# Altium PCB Drive Board.PcbDoc (part 1 of 2) (continued)
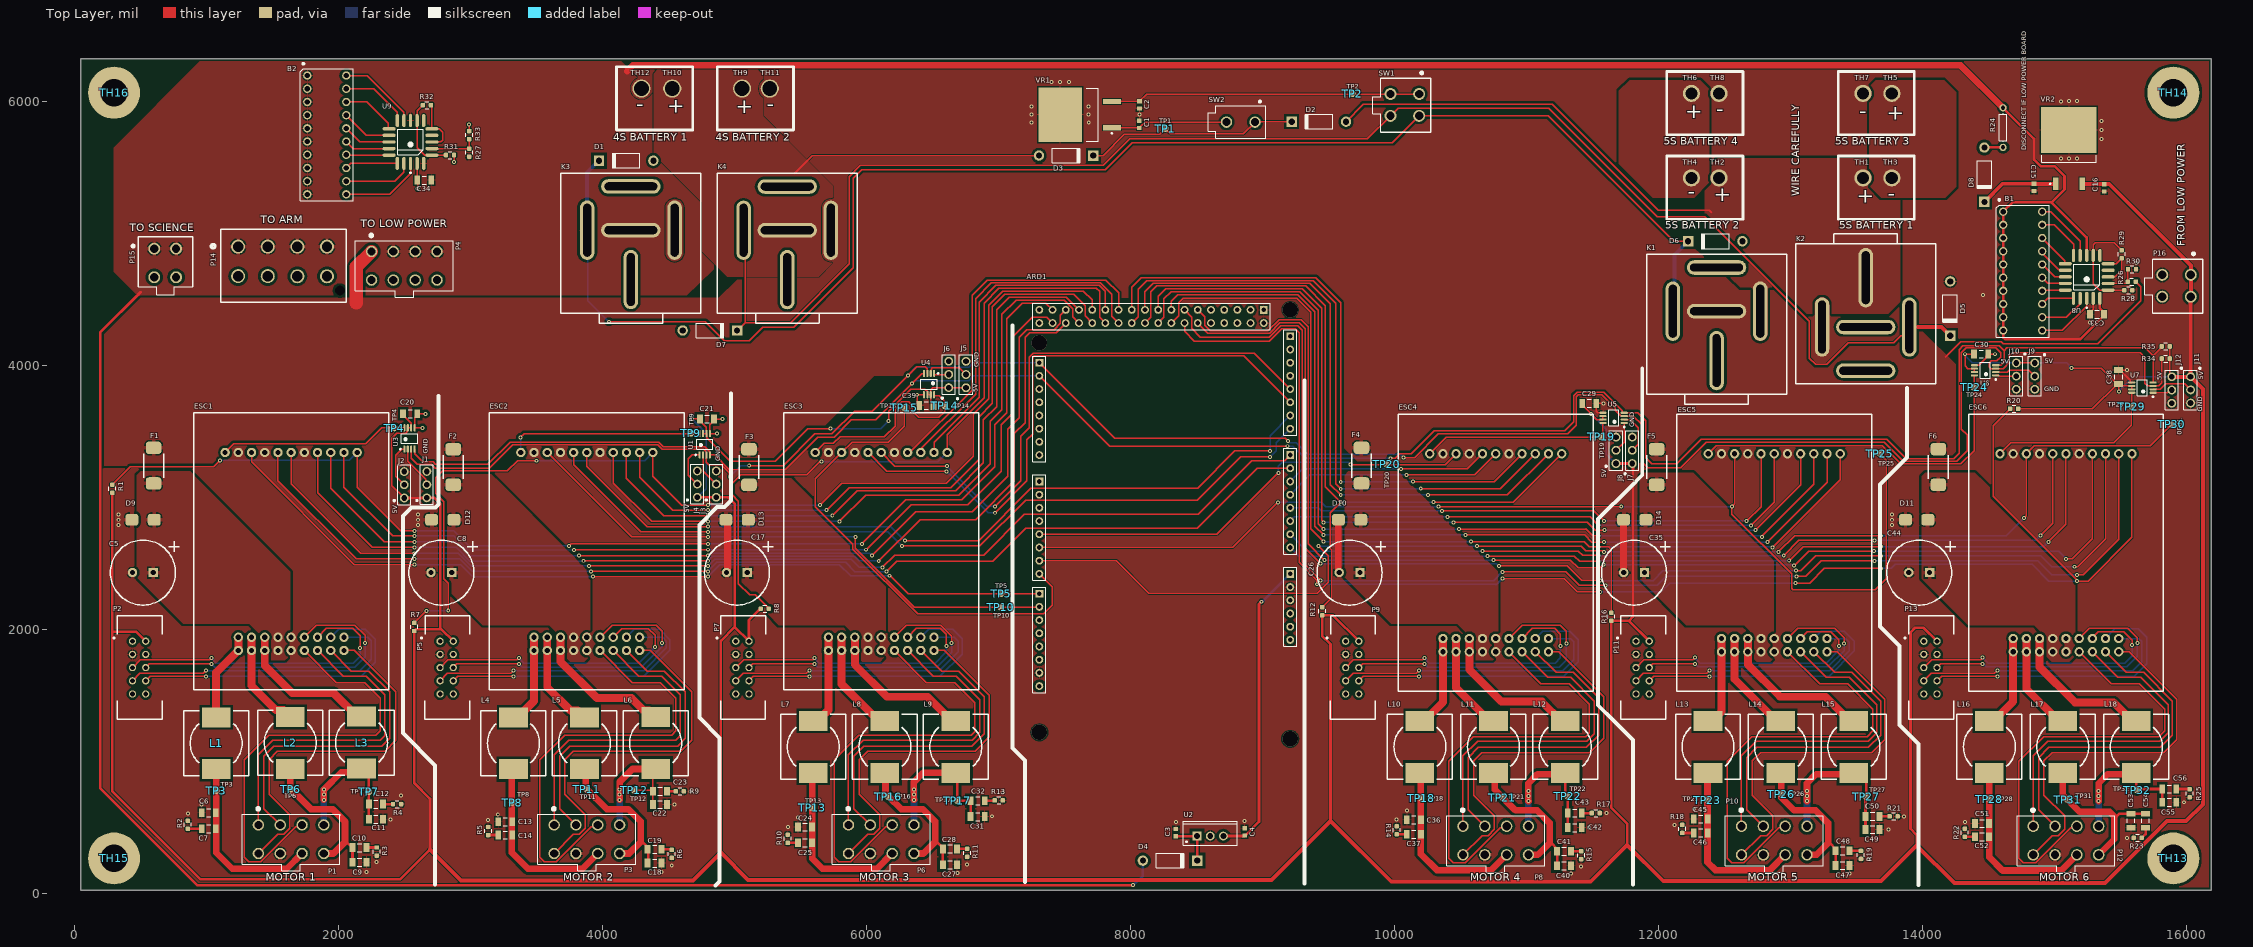
[diagram p0: Top Layer view]
## Footprints (in the part's own frame and the unit in brackets; to place one, negate y for a bottom-side part, rotate by r counter-clockwise, add the part's x,y. Pads: shape width x height; smd on the part's side, far side on the other; paste and mask are expansions set on the pad)
"3 PAD TH" [mm]
  round 1.7 hole 1.1: 1(0,0) 2(2.54,0) 3(5.08,0)
  silkscreen extent -1.27,-1.27 6.35,2.03, body extent -1.27,-1.27 6.35,1.27, height 8.55
3M_2510-6002UB [mm] "Connector Header Through Hole 10 position 0.100\" (2.54mm)"
  round 1.4 hole 0.889: 1(-5.08,-1.27) 2(-5.08,1.27) 3(-2.54,-1.27) 4(-2.54,1.27) 5(0,-1.27) 6(0,1.27) 7(2.54,-1.27) 8(2.54,1.27) 9(5.08,-1.27) 10(5.08,1.27)
  silkscreen extent -10.01,-4.89 9.98,4.47, body extent -10.01,-4.17 10.01,4.47, height 9.4
10AWG_Wire_TH [mm] "21.25mm Dia: 28mm Pad"
  round 3.5 hole 2.85 mask+0.15: 1(0,0)
12AWG_WIRE_TH#1 [mm] "21.25mm Dia: 28mm Pad"
  round 3.3 hole 2.35 mask+0.2: 1(0,0)
12AWG_WIRE_TH#2 [mm] "21.25mm Dia: 28mm Pad"
  round 3.3 hole 2.35 mask+0.2: 1(0.349,0)
50_MIL_PAD [mil]
  round 50 smd: 1(0,0)
1608[0603] [mm] "Chip Capacitor, Body 1.6x0.8mm, IPC High Density"
  rect 0.8x0.9 smd: 1(-0.7,0) 2(0.7,0)
  body extent -0.87,-0.48 0.87,0.48, height 1.3
0157010.DR [mm]
  rrect50% 2.4x3 smd: 1(3.43,0) 2(-3.43,0)
  silkscreen extent -2.29,-1.91 2.29,1.91, body extent -3.29,-1.84 3.29,1.84, height 3.9
"Arduino Mega" [mm] "Arduino Mega 2560"
  rect 1.5x1.5 hole 0.9: 0(10.16,22.86) 8(-11.43,22.86) 21(33.02,22.86) 59(-7.62,-25.4) 67(15.24,-25.4) 75(38.1,-25.4) 79(43.18,-20.32)
  round 1.5 hole 0.9: 1(7.62,22.86) 2(5.08,22.86) 3(2.54,22.86) 4(0,22.86) 5(-2.54,22.86) 6(-5.08,22.86) 7(-7.62,22.86) 9(-13.97,22.86) 10(-16.51,22.86) 11(-19.05,22.86) 12(-21.59,22.86) 13(-24.13,22.86) 14(15.24,22.86) 15(17.78,22.86) 16(20.32,22.86) 17(22.86,22.86) 18(25.4,22.86) 19(27.94,22.86) 20(30.48,22.86) 22(40.64,20.32) 23(43.18,20.32) 24(40.64,17.78) 25(43.18,17.78) 26(40.64,15.24) 27(43.18,15.24) 28(40.64,12.7) 29(43.18,12.7) 30(40.64,10.16) 31(43.18,10.16) 32(40.64,7.62) 33(43.18,7.62) 34(40.64,5.08) 35(43.18,5.08) 36(40.64,2.54) 37(43.18,2.54) 38(40.64,0) 39(43.18,0) 40(40.64,-2.54) 41(43.18,-2.54) 42(40.64,-5.08) 43(43.18,-5.08) 44(40.64,-7.62) 45(43.18,-7.62) 46(40.64,-10.16) 47(43.18,-10.16) 48(40.64,-12.7) 49(43.18,-12.7) 50(40.64,-15.24) 51(43.18,-15.24) 52(40.64,-17.78) 53(43.18,-17.78) 54(-20.32,-25.4) 55(-17.78,-25.4) 56(-15.24,-25.4) 57(-12.7,-25.4) 58(-10.16,-25.4) 60(-2.54,-25.4) 61(0,-25.4) 62(2.54,-25.4) 63(5.08,-25.4) 64(7.62,-25.4) 65(10.16,-25.4) 66(12.7,-25.4) 68(20.32,-25.4) 69(22.86,-25.4) 70(25.4,-25.4) 71(27.94,-25.4) 72(30.48,-25.4) 73(33.02,-25.4) 74(35.56,-25.4) 76(-26.67,22.86) 77(-29.21,22.86) 78(40.64,-20.32) 80(43.18,22.86) 81(40.64,22.86)
  silkscreen extent -30.48,-26.67 44.45,24.13
AXIAL-0.3 [mm] "Axial Device, Thru-Hole; 2 Leads; 0.3 in Pin Spacing"
  round 1.4 hole 0.85: 1(-3.81,0) 2(3.81,0)
  silkscreen extent -2.77,-0.76 2.77,0.76
C1206 [mm] "Chip Capacitor, Body 3.2x1.6mm, IPC High Density"
  rect 1.1x1.7 smd: 1(-1.35,0) 2(1.35,0)
  silkscreen extent -0.4,-0.75 0.4,0.75, body extent -1.7,-0.9 1.7,0.9, height 1.3
D2PAK_N [mm] "D2-PAK, 4-Leads, Body 8.8x10.4mm, Pitch 2.54mm, Lead Span 15.1mm, IPC Medium Density"
  rect 2.4x1.05 smd: 1(-6.8,2.54) 3(-6.8,-2.54)
  rect 8.9x10.65 smd: 2(3.55,0)
  silkscreen extent -6.92,-5.25 -1.3,5.25, body extent -2.7,-5.28 6.3,5.28, height 4.69
DO-41 [mm] "Diode, Axial; Body 5.2 x 2.7 mm (LxDia. max), Lead Dia. 0.86 mm (max)"
  round 2 hole 1.2: 1(-5.23,0)
  rect 2x2 hole 1.2: 2(5.23,0)
  silkscreen extent -2.65,-1.4 2.75,1.4
DPAK254P1420X457-3N [mm] "D2-PAK, 3-Pads, Body 7.77x8.48mm (max), IPC Medium Density"
  rect 3.504x1 smd: 1(-6.1,2.54) 3(-6.1,-2.54)
  rect 8.38x10.49 smd: 2(3.85,0)
  silkscreen extent -6.23,-5.1 -1.14,5.1, body extent -6.71,-5.13 7.48,5.13, height 4.83
DR127-4R7-R [mm] "Fixed Inductors 4.7uH 16.5A 0.0092ohms"
  rect 3.85x5.5 smd: 1(-5,0) 2(5,0)
  silkscreen extent -6.25,-6.25 6.25,6.25, body extent -6.35,-6.22 6.35,6.22, height 8
"ESCON 50/8 HE" [mm]
  round 1.8 hole 1: 1(-19.05,10.16) 2(-16.51,10.16) 3(-19.05,7.62) 4(-16.51,7.62) 5(-19.05,5.08) 6(-16.51,5.08) 7(-19.05,2.54) 8(-16.51,2.54) 9(-19.05,0) 10(-16.51,0) 11(-19.05,-2.54) 12(-16.51,-2.54) 13(-19.05,-5.08) 14(-16.51,-5.08) 15(-19.05,-7.62) 16(-16.51,-7.62) 17(-19.05,-10.16) 18(-16.51,-10.16) 19(19.05,-12.7) 20(19.05,-10.16) 21(19.05,-7.62) 22(19.05,-5.08) 23(19.05,-2.54) 24(19.05,0) 25(19.05,2.54) 26(19.05,5.08) 27(19.05,7.62) 28(19.05,10.16) 29(19.05,12.7)
  silkscreen extent -26.65,-18.75 26.65,18.75
"LED BAR 10pos" [mm]
  round 1.6 hole 1: 1(11.43,3.747) 2(8.89,3.747) 3(6.35,3.747) 4(3.81,3.746) 5(1.27,3.746) 6(-1.27,3.746) 7(-3.81,3.746) 8(-6.35,3.746) 9(-8.89,3.746) 10(-11.43,3.746) 11(-11.43,-3.747) 12(-8.89,-3.747) 13(-6.35,-3.747) 14(-3.81,-3.746) 15(-1.27,-3.746) 16(1.27,-3.746) 17(3.81,-3.746) 18(6.35,-3.746) 19(8.89,-3.746) 20(11.43,-3.746)
  silkscreen extent -12.7,-5.08 13.87,5.08, body extent -12.7,-5.08 12.7,5.08, height 8.01
M5_Screw_Hole#1 [mm]
  round 10 hole 5.25 mask+0.2: 1(-0.49,-0.519)
M5_Screw_Hole#2 [mm]
  round 10 hole 5.25 mask+0.2: 1(0,0.001)
M5_Screw_Hole#3 [mm]
  round 10 hole 5.25 mask+0.2: 1(0.095,0.031)
M5_Screw_Hole#4 [mm]
  round 10 hole 5.25 mask+0.2: 1(0.52,-0.074)
"MOLEX 172065-0208" [mm] "Connector Header Through Hole 8 position 0.224\" (5.70mm)"
  round 2.7 hole 2: 1(9.79,-4.236) 2(4.09,-4.236) 3(-1.61,-4.236) 4(-7.31,-4.236) 5(9.79,1.439) 6(4.09,1.439) 7(-1.61,1.464) 8(-7.31,1.464)
  round 0 hole 1.9 unplated: 6(-9.79,4.236)
  silkscreen extent -10.98,-7.56 14.97,6.49, body extent -10.5,-7.54 12.96,6.49, height 15.61
"MOLEX 0039281043" [mm] "Connector Header Through Hole 4 position 0.165\" (4.20mm)"
  round 2.3 hole 1.6: 1(0,0) 2(4.2,0) 3(0,-5.5) 4(4.2,-5.5)
  silkscreen extent -4.24,-8.89 7.37,2.29, body extent -3.07,-8.82 7.33,2.18, height 12.8
"Molex Mini-Fit Jr 0039281083" [mm]
  round 2.2 hole 1.6: 1(-6.3,2.75) 2(-2.1,2.75) 3(2.1,2.75) 4(6.3,2.75) 5(-6.3,-2.75) 6(-2.1,-2.75) 7(2.1,-2.75) 8(6.3,-2.75)
  silkscreen extent -9.4,-6.1 9.4,6.1, body extent -9.4,-6.2 9.4,4.8, height 12.8
MOLEX_0039293026 [mm]
  round 2.2 hole 1.6: 1(-2.75,0) 2(2.75,0)
  silkscreen extent -4.8,-4.06 6.22,3.1, body extent -4.8,-3.1 6.2,3.1, height 12.8
MUA08A_L [mm] "TSOP, 8-Leads, Body 3x3mm, Pitch 0.65mm, IPC High Density"
  oval 1.4x0.406 smd mask+0.05: 1(-2.05,0.975) 2(-2.05,0.325) 3(-2.05,-0.325) 4(-2.05,-0.975) 5(2.05,-0.975) 6(2.05,-0.325) 7(2.05,0.325) 8(2.05,0.975)
  silkscreen extent -2.17,-1.55 0.95,1.87, body extent -1.55,-1.55 1.55,1.55, height 1.09
"Panasonic EEU-FC1J221S" [mm]
  rect 1.8x1.8 hole 1: 1(2,0)
  round 1.8 hole 1: 2(-2,0)
  silkscreen extent -6.25,-6.25 7,6.25
PLCC127P990X990X457-20N [mm] "Leaded Chip Carrier, 20-Leads, Body 9.91x9.91mm, Pitch 1.270mm, IPC Medium Density"
  oval 0.65x2.5 smd: 1(0,4.125) 2(-1.27,4.125) 3(-2.54,4.125) 9(-2.54,-4.125) 10(-1.27,-4.125) 11(0,-4.125) 12(1.27,-4.125) 13(2.54,-4.125) 19(2.54,4.125) 20(1.27,4.125)
  oval 2.5x0.65 smd: 4(-4.125,2.54) 5(-4.125,1.27) 6(-4.125,0) 7(-4.125,-1.27) 8(-4.125,-2.54) 14(4.125,-2.54) 15(4.125,-1.27) 16(4.125,0) 17(4.125,1.27) 18(4.125,2.54)
  silkscreen extent -2.48,-2.47 2.47,6.05, body extent -5.15,-5.15 5.15,5.15, height 4.57
"RELAY RC-700112-NN" [mil]
  oval 110x450 hole 400 slot 60 at 0 deg: 30(0,-274) 85(331,100) 86(-331,100)
  oval 450x110 hole 400 slot 60 at 90 deg: 87(0,431) 87a(0,100)
  silkscreen extent -530,-605 530,530
RESC1608X06N_0603 [mm] "Chip Resistor, 2-Leads, Body 1.60x0.80mm, IPC Medium Density"
  rrect50% 0.85x0.9 smd: 1(-0.775,0) 2(0.775,0)
  silkscreen extent -0.38,-0.66 0.34,0.69, body extent -0.85,-0.45 0.85,0.45, height 0.55
SMBJ54A-13-F [mm]
  rrect50% 2.5x2.3 smd: 1(2.15,0) 2(-2.15,0)
  body extent -2.92,-1.95 2.92,1.95, height 2.5
TO220 [mm] "TO, Thru-Hole, Vertical, Heatsink Mounted; 3 In-Line Leads; Pitch 2.54 mm"
  rect 1.7x1.7 hole 1.1: 1(-2.54,0)
  round 1.7 hole 1.1: 2(0,0) 3(2.54,0)
  silkscreen extent -5.2,-1.75 5.2,2.85, body extent -5.25,-1.8 5.25,2.9, height 19.7

## Part data
B1: library part "LED BAR 10 RED"
B2: library part "LED BAR 10 BLUE"
C1 C2 C3 C4 C15 C16: "Capacitor", LatestRevisionDate=17-Jul-2002, LatestRevisionNote="Re-released for DXP Platform.", PackageDescription="Radial Cap, Thru-Hole; 2 Leads; 0.3 in Pin Spacing", PackageReference=RAD-0.3, Published=8-Jun-2000, Publisher="Altium Limited"
C5 C8 C17 C26 C35 C44: "Polarized Capacitor (Radial)"
C6 C7 C9 C10 C11 C12 C13 C14 C18 C19 C20 C21 C22 C23 C24 C25 C27 C28 C29 C30 C31 C32 C33 C34 C36 C37 C38 C39 C40 C41 C42 C43 C45 C46 C47 C48 C49 C50 C51 C52 C53 C54 C55 C56: "Capacitor (Semiconductor SIM Model)", LatestRevisionDate=29-May-2009, LatestRevisionNote="IPC-7351 Footprint Added.", PackageDescription="Chip Capacitor", PackageReference=C1206, Published=8-Jun-2000, Publisher="Altium Limited"
D1 D2 D3 D4 D5 D6 D7 D8: "1 Amp General Purpose Rectifier", Code_JEDEC=DO-204-AL, ComponentLink1Description="Manufacturer Link", ComponentLink1URL=http://www.fairchildsemi.com/, ComponentLink2Description=Datasheet, ComponentLink2URL=http://www.fairchildsemi.com/ds/1N%2F1N4001.pdf, DatasheetVersion=1998, LatestRevisionDate=17-Jul-2002, LatestRevisionNote="Re-released for DXP Platform.", PackageDescription="Diode, Axial; Body 5.2 x 2.7 mm (LxDia. max), Lead Dia. 0.86 mm (max)", PackageReference=DO-41, PackageVersion=Aug-1999, Published=8-Jun-2000, Publisher="Altium Limited"
D9 D10 D11 D12 D13 D14: "TVS Diode", Code_JEDEC=DO-214-AB, LatestRevisionDate=17-Jul-2002, LatestRevisionNote="Re-released for DXP Platform.", PackageDescription="DO-214-AB/SMC; 2 C-Bend Leads; Body 7.9 x 5.9 mm, inc. leads (LxW)", PackageReference=SMC, PackageVersion=Sep-1996, Published=8-Jun-2000, Publisher="Altium Limited"
ESC1 ESC2 ESC3 ESC4 ESC5 ESC6: "ESCON Module 50/8 HE Servocontroller"
F1 F2 F3 F4 F5 F6: "Fuse", LatestRevisionDate=17-Jul-2002, LatestRevisionNote="Re-released for DXP Platform.", PackageDescription="Thru-Hole; 2 Leads", PackageReference=PIN-W2/E2.8, Published=8-Jun-2000, Publisher="Altium Limited"
J1 J2 J3 J4 J5 J6 J7 J8 J9 J10 J11 J12: library part "3 Pad Jump Sel"
K1 K2 K3 K4: "SPDT Relay", LatestRevisionDate=17-Jul-2002, LatestRevisionNote="Re-released for DXP Platform.", PackageReference=MODULE5B, Published=8-Jun-2000, Publisher="Altium Limited"
L1 L2 L3 L4 L5 L6 L7 L8 L9 L10 L11 L12 L13 L14 L15 L16 L17 L18: "4.7µH Shielded Wirewound Inductor 8.25A 9.17mOhm Nonstandard", Code_IEC=1005, Code_JEITA=0402, LatestRevisionDate=29-May-2009, LatestRevisionNote="IPC-7351 Footprint Added.", PackageDescription="Chip Inductor", PackageReference=0402-A, Published=8-Jun-2000, Publisher="Altium Limited"
P1 P3 P4 P6 P8 P10 P12: library part "Molex Mini-Fit Jr 8pos Vert"
P2 P5 P7 P9 P11 P13: "3M_2510-6002UB"
P14: library part "Molex Mega-Fit 8pos Vert"
P15 P16: library part "Molex 0039281043", "Mini-Fit Jr. Header, Dual Row, Right-Angle, with Snap-in Plastic Peg PCB Lock, 6 Circuits, PA Polyamide Nylon 6/6 94V-2, 0.76µm Select Gold (Au) Plating"
R1 R2 R3 R4 R5 R6 R7 R8 R9 R10 R11 R12 R13 R14 R15 R16 R17 R18 R19 R20 R21 R22 R23 R24 R25 R26 R27 R28 R29 R30 R31 R32 R33 R34 R35: "Resistor", LatestRevisionDate=17-Jul-2002, LatestRevisionNote="Re-released for DXP Platform.", PackageDescription="Axial Device, Thru-Hole; 2 Leads; 0.3 in Pin Spacing", PackageReference=AXIAL-0.3, Published=8-Jun-2000, Publisher="Altium Limited"
SW1: library part "DPST ESTOP"
U1 U3 U4 U5 U6 U7: "12-Bit Micro Power Digital-to-Analog Converter with an I2C-Compatible Interface and External Reference, 8-pin Mini SOIC, Pb-Free", Manufacturer="National Semiconductor", PackageTopMarking=XTT*X90C, PowerWise=Y, Code_JEDEC=MO-187-AA, ComponentLink1Description="DAC121C085 Datasheet", ComponentLink1URL=http://www.national.com/ds/DA/DAC121C085.pdf, ComponentLink2Description="DAC121C085 Web Page", ComponentLink2URL=http://www.national.com/pf/DA/DAC121C085.html, ComponentLink3Description="MUA08A Package Page", ComponentLink3URL=http://www.national.com/packaging/folders/mua08a.html, CompType="D/A Converter", DatasheetVersion=Mar-2008, PackageDescription="MINI SOIC, .118 x .118 x .034in, 8 Lead, .0256in Pitch", PackageReference=MUA08A, PackageVersion="revF, Apr-2008", PinCount=8, RevisionNote="Component URLs added", RoHS=Y
U2: library part CMP-0244-00450-1, "Positive Voltage Regulator, 12V, 3-Pin TO-220", ComponentLink1Description="Manufacturer URL", ComponentLink1URL=http://www.st.com, ComponentLink2Description=Datasheet, ComponentLink2URL=http://www.st.com/internet/com/TECHNICAL_RESOURCES/TECHNICAL_LITERATURE/DATASHEET/CD00000444.pdf, ComponentLink3Description="Package Specification", ComponentLink3URL=http://www.st.com/internet/com/TECHNICAL_RESOURCES/TECHNICAL_LITERATURE/PACKAGE_INFORMATION/CD00004649.pdf, DatasheetVersion=16/11/2011, PackageDescription="TO, Thru-Hole, Vertical, Heatsink Mounted; 3 In-Line Leads; Pitch 2.54 mm", PackageReference=TO220, PackageVersion=ver3.0
U8 U9: library part LM3914
VR1 VR2: "Voltage Regulator", LatestRevisionDate=29-May-2009, LatestRevisionNote="IPC-7351 Footprint Added.", PackageDescription="3-Pin Transistor Outline Package 2.54 mm Pitch, 15.1 mm Lead Span", PackageReference=D2PAK, Published=24-Mar-1999, Publisher="Altium Limited"
SW2: LatestRevisionDate=17-Jul-2002, LatestRevisionNote="Re-released for DXP Platform.", PackageDescription="Switch; 2 Leads", PackageReference=SPST-2, Published=24-Mar-1999, Publisher="Altium Limited"

## Via types
v1: diameter 30, hole 15, Top Layer to Bottom Layer, tented both sides, 283 vias
v2: diameter 118.11, hole 118.11, Top Layer to Bottom Layer, 4 vias

## Nets (pads, with @x,y where several pads share a name; then routed paths per layer and width w, separated by ;. In a path a pad name is that pad's centre, name@x,y a point inside that pad or via, vN(x,y) a via of type N, cw(c..) or ccw(c..) an arc to the next point about the centre after c; other vN are vias at no path point)
5V: C16.1 C20.2 C21.2 C29.2 C30.2 C38.2 C39.2 J1.1 J2.1 J3.1 J4.1 J5.1 J6.1 J7.1 J8.1 J9.1 J10.1 J11.1 J12.1 P2.2 P5.2 P7.2 P9.2 P11.2 P13.2 P16.1 P16.2 R1.2 R7.2 R8.2 R12.2 R16.2 R20.2 R34.2 R35.2 U1.6 U1.7 U3.6 U3.7 U4.6 U4.7 U5.6 U5.7 U6.6 U6.7 U7.6 U7.7 VR2.3 | length 47564.7
  Top Layer w10: C20.2@2489.85,3633 2489.85,3621.49 2550.8,3560.54 U3.6@2550.8,3526.71 U3.7@2525.2,3526.71 2525.2,3503.04 2508.31,3486.15 2442.15,3486.15 2404,3448 2404,3089 J2.1@2498,2995 ; v1(4677,3595) C21.2@4736.85,3595 ; C21.2@4738.85,3593 4738.85,3581.49 4787.8,3532.54 U1.6@4787.8,3482.71 ; U1.7@4762.2,3482.71 U1.6@4787.8,3482.71 ; v1(5728,3521) 5556,3521 5310,3275 4966.95,3275 4788.94,3453 4788.94,3481.56 U1.6@4787.8,3482.71 ; v1(6168,3579) 6168,3653 6334,3819 6443.16,3819 6463.2,3798.96 U4.6@6463.2,3777.29 ; U4.6@6461.2,3777.29 U4.6@6463.2,3777.29 ; U4.6@6463.2,3768.29 U4.6@6463.2,3777.29 ; U4.7@6488.15,3767.65 6488.8,3768.29 U4.7@6488.8,3789.47 ; C39.2@6507.15,3691 C39.2@6507.15,3695 6507.15,3702.81 6486.8,3723.17 U4.7@6486.8,3777.29 ; J5.1@6754,3830 6501.56,3830 6486.8,3815.24 U4.7@6486.8,3777.29 ; C29.2@11421.85,3712 11421.85,3700.49 11533.13,3589.2 U5.7@11579.29,3589.2 U5.6@11579.29,3614.8 ; C30.2@14390.85,4085 14389.85,4084 v1(14322.75,4084) 14322.75,3995.25 14343.2,3974.8 U6.6@14393.29,3974.8 U6.7@14393.29,3949.2 ; J10.1@14711,4018 J9.1@14851,4018 ; R20.2@14724.51,3671 15287.34,3671 15474.19,3857.85 C38.2@15474.49,3857.85 ; v1(15130,3979) 15353.34,3979 C38.2@15474.49,3857.85 ; C16.1@15375.44,5370 C16.1@15377,5371.56 ; C38.2@15486,3857.85 C38.2@15474.49,3857.85 ; v1(15488,3803) 15488,3845.8 15493.03,3850.82 15500.06,3843.8 U7.6@15585.29,3843.8 U7.7@15585.29,3818.2 ; R35.2@15873.51,4143 R34.2@15873.51,4051 15873.51,3942.89 15888,3928.4 J12.1@15888,3913 ; U4.6@6463.2,3777.29 U4.7@6486.8,3777.29
  Top Layer w20: R1.2@287,3034.49 287,1982 ; P2.2@540,1910 468,1982 287,1982 ; J2.1@2498,2995 2669,2995 J1.1@2670,2996 2726,2996 2772.57,2949.43 2772.57,2007.43 2780,2000 ; P5.2@2870,1910 2780,2000 ; J4.1@4719,3000 J3.1@4862,3000 4952,3000 5002.57,2949.43 5002.57,2790.53 5002,2789.96 5002,2018 ; C21.2@4736.85,3595 C21.2@4738.85,3593 ; 4897,309 4897,1913 5002,2018 ; R8.2@5186.76,2146.76 5110,2070 P7.2@5110,1910 5002,2018 ; 9515,549 9515,1888 9452.15,1950.85 R12.2@9452.15,2106.45 9533.55,2106.45 P9.2@9730,1910 ; J8.1@11678,3256 J7.1@11801,3256 11807,3250 11807,2095.98 11775.51,2064.49 ; 11762.33,365.33 11762.33,365.67 11762.33,528.36 11643,647.69 R16.2@11643,2064.49 11775.51,2064.49 ; P11.2@11930,1910 11775.51,2064.49 ; 13956,364 13956,443 13909,490 13909,1976 13945,2012 14008,2012 P13.2@14110,1910 ; C16.1@15377,5371.56 15378.97,5371.56 15382.69,5375.28 15384.72,5377.31 C16.1@15384.72,5379.28 ; J11.1@16030,3913 J11.1@16031,3914 ; 287,1982 287,773 953,107 2468.93,107 2693.46,331.54 2693.46,715.54 2575,834 R7.2@2575,1987.49 2587.51,2000 2780,2000
  Top Layer w30: 2693.46,331.54 2928,97 4685,97 4897,309 5104,102 9068,102 9515,549 9976,88 11485,88 11762.33,365.33 ; 11762.33,365.67 12036,92 13684,92 13956,364 14241,79 15384,79 15853,548 15997.33,548 16124,674.67 16124,3821 J11.1@16031,3914 16031,4518.11 P16.2@16032.54,4519.65 P16.1@16032.54,4685 16032.54,4755.46 15412.72,5375.28 15382.69,5375.28 VR2.3@15209,5375.28 ; J12.1@15888,3913 J11.1@16030,3913
  Bottom Layer w10: v1(4677,3595) 4785,3487 4785,3066 J4.1@4719,3000 ; v1(5728,3521) 6110,3521 v1(6168,3579) ; v1(11489,3632) 11606,3515 11606,3328 J8.1@11678,3256 ; v1(14322.75,4084) 14326.57,4080.17 14326.57,4067.43 14376,4018 J10.1@14711,4018 ; J9.1@14851,4018 15091,4018 v1(15130,3979) ; v1(15488,3803) 15598,3913 J12.1@15888,3913
12V_REG: C2.1 SW1.1 SW1.3 TP2.1 VR1.3 | length 2350.7
  Top Layer w10: VR1.3@7859.16,5999 8066.44,5999 C2.1@8068,6000.56 8122.8,6055.35 SW1.3@9970,6055.35 SW1.1@10186.54,6055.35
14.8VP: B1.1 B1.2 B1.3 B1.4 B1.5 B1.6 B1.7 B1.8 B1.9 B1.10 B2.1 B2.2 B2.3 B2.4 B2.5 B2.6 B2.7 B2.8 B2.9 B2.10 C33.2 C34.2 D4.1 K3.87a P4.2 P4.3 P4.4 P14.1 P14.2 P14.3 P14.4 P15.1 P15.2 R24.1 R27.2 U8.3 U8.11 U9.3 U9.11 | length 26664.9
  Top Layer w20: 502.5,4554.5 195,4247 195,796.38 929.38,62 v1(8019,62) ; R24.1@14610,5951 14845,5716 14845,5558 14896,5507 15002,5507 15076,5433 15076,5332 14978,5234 ; U8.11@15244,4832.4 15244,4968 14978,5234 ; 15343.96,4432 15375.15,4400.81 15375.15,4377.19 15196.96,4199 14624.75,4199 14611.5,4212.25 B1.10@14611.5,4264 B1.9@14611.5,4364 B1.8@14611.5,4464 B1.7@14611.5,4564 B1.6@14611.5,4664 B1.5@14611.5,4764 B1.4@14611.5,4864 B1.3@14611.5,4964 B1.2@14611.5,5064 B1.1@14611.5,5164 14681.5,5234 14978,5234 ; 15344,4432 U8.3@15344,4507.6
  Top Layer w50: 4187,6229 4230,6272 14289,6272 R24.1@14610,5951
  Bottom Layer w20: v1(8019,62) 8023,62 8094.09,133.09 D4.1@8094.09,248
14.8VP_RAW: D3.1 K4.87a TH9.1 TH10.1 | length 1911.5
  Top Layer w10: 5452.5,5451.5 5590,5589 D3.1@7307.09,5589
37VP: F1.1 F2.1 F3.1 F4.1 F5.1 F6.1 K1.87a P4.1 R26.2 | length 2269.7
  Top Layer w10: 14172,4061 14290.46,4179.46 14594.79,4179.46 14610.26,4164 15329,4164 15653.51,4488.51 15653.51,4596.51 R26.2@15616.02,4634
  Top Layer w100: 2135,4473 2135,4746.3 P4.1@2250.97,4862.27
37VP_RAW: D2.1 K2.30 TH1.1 TH2.1 | length 3168.4
  Top Layer w10: D2.1@9632.91,5846 9761.28,5974.37 9761.28,5978.28 11195.72,5978.28 11999,5175 12386,5175 12404,5157
"E1 Ch A": ESC1.12 P2.6 | length 2408.2
  Top Layer w10: P2.6@540,1710 568,1738 v1(1038,1738) ; ESC1.12@1741.84,1940 1832.84,2031 2125,2031 2202,1954 v1(2202,1895)
  Bottom Layer w10: v1(1038,1738) 1062,1714 2125,1714 2202,1791 v1(2202,1895)
"E1 Ch A\": ESC1.14 P2.5 | length 2322
  Top Layer w10: P2.5@440,1710 499.44,1769.44 1021.44,1769.44 v1@1035,1783 ; ESC1.14@1841.84,1940 1908.84,2007 2108,2007 2165,1950 v1(2165,1858)
  Bottom Layer w10: v1@1035,1783 1074,1744 2114,1744 2165,1795 v1(2165,1858)
  other v1: 1038,1783
"E1 Ch B": ESC1.16 P2.8 | length 2361.9
  Top Layer w10: P2.8@540,1610 574,1644 v1@1000,1644
  Bottom Layer w10: v1@1000,1644 2171,1644 2279,1752 2279,1923 2203,1999 2000.84,1999 ESC1.16@1941.84,1940
  other v1: 997,1644
"E1 Ch B\": ESC1.18 P2.7 | length 2232.1
  Top Layer w10: P2.7@440,1610 496,1666 975,1666 v1(997,1688)
  Bottom Layer w10: v1(997,1688) 2163,1688 2247.39,1772.39 2247.39,1913.15 2220.54,1940 ESC1.18@2041.84,1940
"E1 H1": ESC1.13 P1.1 | length 2506.6
  Top Layer w10: P1.1@1393.81,518.27 1393.81,1050.81 1504,1161 2317,1161 2350,1194 2350,1506 2210,1646 2035.84,1646 ESC1.13@1841.84,1840
"E1 H2": ESC1.15 P1.2 | length 2507.9
  Top Layer w10: P1.2@1559.16,518.27 1435,642.43 1435,1039 1511,1115 2329,1115 2387,1173 2387,1526 2230,1683 2098.84,1683 ESC1.15@1941.84,1840
"E1 H3": ESC1.17 P1.5 | length 2811.7
  Top Layer w10: P1.5@1393.81,301.73 1539.07,447 1584,447 1631,494 1631,596 1475,752 1475,1013 1538,1076 2353,1076 2435,1158 2435,1526 2121,1840 ESC1.17@2041.84,1840
"E1 H Vcc": ESC1.11 P1.3 | length 3399.1
  Top Layer w10: P1.3@1724.51,518.27 1711.41,505.16 1676.87,505.16 1411.7,240 1320,240 1286,274 1286,1011 1473,1198 2284,1198 2317,1231 2317,1478 2198,1597 1984.84,1597 ESC1.11@1741.84,1840
"E1 W1": C6.2 C7.2 L1.2 P1.7 TP3.1 | length 1381.1
  Top Layer w50: L1.2@1074,940.15 TP3.1@1074,777 1074,611 1074,489 1074,308 1196,186 1608.78,186 P1.7@1724.51,301.73
"E1 W2": C9.2 C10.2 L2.2 P1.8 TP6.1 | length 1202.9
  Top Layer w20: 2050,390 2062.85,390 C10.2@2106.85,346 C9.2@2106.85,236
  Top Layer w50: L2.2@1635,943.15 1635,795 TP6.1@1640,790 1792,638 1956,638 2050,544 2050,390 1961.73,301.73 P1.8@1889.87,301.73
"E1 W3": C11.2 C12.2 L3.2 P1.4 TP7.1 | length 1105.6
  Top Layer w20: L3.2@2175,945.15 2231,889.15 TP7.1@2231,769 2231,561.15 C11.2@2230.85,561
  Top Layer w50: v1@1890,708 v1(1889.74,708.26) v1(1889.74,786.74) 2021.02,918.02 2147.87,918.02 L3.2@2175,945.15
  Bottom Layer w50: P1.4@1889.87,518.27 v1@1889.87,786.74
  other v1: 1889.74,747.5
"E2 Ch A": ESC2.12 P5.6 | length 2308.4
  Top Layer w10: P5.6@2870,1710 2898,1738 v1(3368,1738) ; ESC2.12@3981.84,1940 4072.84,2031 4406,2031 4452,1985 v1(4452,1895)
  Bottom Layer w10: v1(3368,1738) 3392,1714 4293.2,1714 4452,1872.8 v1(4452,1895)
"E2 Ch A\": ESC2.14 P5.5 | length 2180
  Top Layer w10: P5.5@2770,1710 2829.44,1769.44 3351.44,1769.44 v1@3365,1783 ; ESC2.14@4081.84,1940 4147.84,2006 4348,2006 4399,1955 v1(4399,1867)
  Bottom Layer w10: v1@3365,1783 3404,1744 4276,1744 v1(4399,1867)
  other v1: 3368,1783
"E2 Ch B": ESC2.16 P5.8 | length 2202
  Top Layer w10: P5.8@2870,1610 2904,1644 v1(3327,1644) v1@3330,1644
  Bottom Layer w10: v1@3330,1644 4312,1644 4511,1843 4511,1922 4434,1999 4240.84,1999 ESC2.16@4181.84,1940
"E2 Ch B\": ESC2.18 P5.7 | length 2084.1
  Top Layer w10: P5.7@2770,1610 2826,1666 3305,1666 v1(3327,1688)
  Bottom Layer w10: v1(3327,1688) 4312,1688 4485,1861 4485,1911 4456,1940 ESC2.18@4281.84,1940
"E2 H1": ESC2.13 P3.1 | length 2506.6
  Top Layer w10: P3.1@3633.81,518.27 3633.81,1050.81 3744,1161 4557,1161 4590,1194 4590,1506 4450,1646 4275.84,1646 ESC2.13@4081.84,1840
"E2 H2": ESC2.15 P3.2 | length 2507.9
  Top Layer w10: P3.2@3799.16,518.27 3675,642.43 3675,1039 3751,1115 4569,1115 4627,1173 4627,1526 4470,1683 4338.84,1683 ESC2.15@4181.84,1840
"E2 H3": ESC2.17 P3.5 | length 2811.7
  Top Layer w10: P3.5@3633.81,301.73 3779.07,447 3824,447 3871,494 3871,596 3715,752 3715,1013 3778,1076 4593,1076 4675,1158 4675,1526 4361,1840 ESC2.17@4281.84,1840
"E2 H Vcc": ESC2.11 P3.3 | length 3399.1
  Top Layer w10: P3.3@3964.51,518.27 3951.41,505.16 3916.86,505.16 3651.7,240 3560,240 3526,274 3526,1011 3713,1198 4524,1198 4557,1231 4557,1478 4438,1597 4224.84,1597 ESC2.11@3981.84,1840
"E2 W1": C13.2 C14.2 L4.2 P3.7 TP8.1 | length 1381.1
  Top Layer w50: L4.2@3314,940.15 3314,777 3314,308 3436,186 3848.78,186 P3.7@3964.51,301.73
"E2 W2": C18.2 C19.2 L5.2 P3.8 TP11.1 | length 1202.9
  Top Layer w20: 4290,390 4302.85,390 4346.85,346 C18.2@4346.85,236
  Top Layer w50: L5.2@3875,943.15 3875,795 TP11.1@3880,790 4032,638 4196,638 4290,544 4290,390 4201.73,301.73 P3.8@4129.87,301.73
"E2 W3": C22.2 C23.2 L6.2 P3.4 TP12.1 | length 1152.9
  Top Layer w10: TP12.1@4241,780 4375.85,780 C23.2@4382.85,773 ; C22.2@4382.85,673 C23.2@4382.85,773 ; L6.2@4411.85,942 4382.85,913 C23.2@4382.85,773
  Top Layer w50: v1@4130,708 v1(4129.74,708.26) v1(4129.74,747.5) v1(4129.74,786.74) 4129.74,843.74 4228,942 L6.2@4411.85,942
  Bottom Layer w50: P3.4@4129.87,518.27 v1@4129.87,786.74
"E3 Ch A": ESC3.12 P7.6 | length 2230.4
  Top Layer w10: P7.6@5110,1710 5138,1738 v1(5608,1738) ; ESC3.12@6211.84,1940 6302.84,2031 6561.46,2031 6646,1946.46 v1(6646,1895)
  Bottom Layer w10: v1(5608,1738) 5632,1714 6532.46,1714 6646,1827.54 v1(6646,1895)
"E3 Ch A\": ESC3.14 P7.5 | length 2150.6
  Top Layer w10: P7.5@5010,1710 5069.44,1769.44 5591.44,1769.44 v1@5605,1783 ; ESC3.14@6311.84,1940 6378.84,2007 6560,2007 6606,1961 v1(6606,1873)
  Bottom Layer w10: v1@5605,1783 5644,1744 6521,1744 6606,1829 v1(6606,1873)
  other v1: 5608,1783
"E3 Ch B": ESC3.16 P7.8 | length 2179.7
  Top Layer w10: P7.8@5110,1610 5144,1644 v1(5567,1644) v1@5570,1644
  Bottom Layer w10: v1@5570,1644 6555,1644 6724,1813 6724,1929 6654,1999 6470.84,1999 ESC3.16@6411.84,1940
"E3 Ch B\": ESC3.18 P7.7 | length 2050.5
  Top Layer w10: P7.7@5010,1610 5066,1666 5545,1666 v1(5567,1688)
  Bottom Layer w10: v1(5567,1688) 6553,1688 6694,1829 6694,1910.41 6664.41,1940 ESC3.18@6511.84,1940
"E3 H1": ESC3.13 P6.1 | length 2547.1
  Top Layer w10: P6.1@5863.81,518.27 5863.81,1050.81 5974,1161 6801,1161 6859,1219 6859,1467 6680,1646 6505.84,1646 ESC3.13@6311.84,1840
"E3 H2": ESC3.15 P6.2 | length 2537.7
  Top Layer w10: P6.2@6029.16,518.27 5905,642.43 5905,1039 5981,1115 6799,1115 6893,1209 6893,1490 6700,1683 6568.84,1683 ESC3.15@6411.84,1840
"E3 H3": ESC3.17 P6.5 | length 2834.1
  Top Layer w10: P6.5@5863.81,301.73 6009.07,447 6054,447 6101,494 6101,596 5945,752 5945,1013 6008,1076 6823,1076 6932,1185 6932,1499 6591,1840 ESC3.17@6511.84,1840
"E3 H Vcc": ESC3.11 P6.3 | length 3450.1
  Top Layer w10: P6.3@6194.51,518.27 6181.41,505.16 6146.86,505.16 5881.7,240 5790,240 5756,274 5756,1011 5943,1198 6793,1198 6821,1226 6821,1444 6668,1597 6454.84,1597 ESC3.11@6211.84,1840
"E3 W1": C24.2 C25.2 L7.2 P6.7 TP13.1 | length 1381.1
  Top Layer w50: L7.2@5544,940.15 5589,895.15 5589,647 5589,503 5589,383 5589,263 5666,186 6078.78,186 P6.7@6194.51,301.73
"E3 W2": C27.2 C28.2 L8.2 P6.8 TP16.1 | length 1202.3
  Top Layer w20: 6520,390 6532.85,390 6576.85,346 C27.2@6576.85,236
  Top Layer w50: L8.2@6105,943.15 6144,904.15 6144,757 6168,733 6263,638 6426,638 6520,544 6520,390 6431.73,301.73 P6.8@6359.87,301.73
"E3 W3": C31.2 C32.2 L9.2 P6.4 TP17.1 | length 1187.1
  Top Layer w20: L9.2@6677,913 6688,902 TP17.1@6688,702 6787.86,702 C32.2@6788.85,701.01 C31.2@6788.85,581.01
  Top Layer w50: v1@6360,708 v1(6359.74,708.26) v1(6359.74,747.5) v1(6359.74,786.74) 6359.74,843.74 6429,913 L9.2@6677,913
  Bottom Layer w50: P6.4@6359.87,518.27 v1@6359.87,786.74
"E4 Ch A": ESC4.12 P9.6 | length 2331
  Top Layer w10: P9.6@9730,1710 9758,1738 v1(10228,1738) ; ESC4.12@10866.84,1930 10967.84,2031 11256,2031 11303,1984 v1(11303,1893)
  Bottom Layer w10: v1(10228,1738) 10252,1714 11250,1714 11303,1767 v1(11303,1893)
"E4 Ch A\": ESC4.14 P9.5 | length 2209.8
  Top Layer w10: P9.5@9630,1710 9689.44,1769.44 10211.44,1769.44 v1@10225,1783 ; ESC4.14@10966.84,1930 11043.84,2007 11214,2007 11257,1964 v1(11257,1874)
  Bottom Layer w10: v1@10225,1783 10264,1744 11217,1744 11257,1784 v1(11257,1874)
  other v1: 10228,1783
"E4 Ch B": ESC4.16 P9.8 | length 2284.8
  Top Layer w10: P9.8@9730,1610 9764,1644 v1(10187,1644) v1@10190,1644
  Bottom Layer w10: v1@10190,1644 11284,1644 11393,1753 11393,1922 11329,1986 11122.84,1986 ESC4.16@11066.84,1930 ESC4.16@11054.34,1917.5
"E4 Ch B\": ESC4.18 P9.7 | length 2131.3
  Top Layer w10: P9.7@9630,1610 9686,1666 10165,1666 v1(10187,1688)
  Bottom Layer w10: v1(10187,1688) 11276,1688 11358,1770 11358,1905.8 11333.8,1930 ESC4.18@11166.84,1930
"E4 H1": ESC4.13 P8.1 | length 2547.1
  Top Layer w10: P8.1@10518.81,508.27 10518.81,1040.81 10629,1151 11456,1151 11514,1209 11514,1457 11335,1636 11160.84,1636 ESC4.13@10966.84,1830
"E4 H2": ESC4.15 P8.2 | length 2537.7
  Top Layer w10: P8.2@10684.16,508.27 10560,632.43 10560,1029 10636,1105 11454,1105 11548,1199 11548,1480 11355,1673 11223.84,1673 ESC4.15@11066.84,1830
"E4 H3": ESC4.17 P8.5 | length 2834.1
  Top Layer w10: P8.5@10518.81,291.73 10664.07,437 10709,437 10756,484 10756,586 10600,742 10600,1003 10663,1066 11478,1066 11587,1175 11587,1489 11246,1830 ESC4.17@11166.84,1830
"E4 H Vcc": ESC4.11 P8.3 | length 3450.1
  Top Layer w10: P8.3@10849.51,508.27 10836.41,495.16 10801.86,495.16 10536.7,230 10445,230 10411,264 10411,1001 10598,1188 11448,1188 11476,1216 11476,1434 11323,1587 11109.84,1587 ESC4.11@10866.84,1830
"E4 W1": C36.2 C37.2 L10.2 P8.7 TP18.1 | length 1381.1
  Top Layer w50: L10.2@10199,930.15 10199,298 10321,176 10733.78,176 P8.7@10849.51,291.73
"E4 W2": C40.2 C41.2 L11.2 P8.8 TP21.1 | length 1202.3
  Top Layer w20: 11175,380 11187.85,380 11231.85,336 C40.2@11231.85,226
  Top Layer w50: L11.2@10760,933.15 10760,786 10918,628 11081,628 11175,534 11175,380 11086.73,291.73 P8.8@11014.87,291.73
"E4 W3": C42.2 C43.2 L12.2 P8.4 TP22.1 | length 1172.9
  Top Layer w20: L12.2@11294,913.15 11294,903 11294,760.12 11312,742.12 TP22.1@11312,734 11312,498.15 C42.2@11311.85,498
  Top Layer w50: v1@11015,698 v1(11014.74,698.26) v1(11014.74,737.5) v1(11014.74,776.74) 11014.74,833.74 11084,903 11294,903 L12.2@11332,903
  Bottom Layer w50: P8.4@11014.87,508.27 v1@11014.87,776.74
"E5 Ch A": ESC5.12 P11.6 | length 2138
  Top Layer w10: P11.6@11930,1710 11958,1738 v1@12280,1738 ; ESC5.12@12976.84,1930 13055.84,2009 13334,2009 13406,1937 v1(13406,1893)
  Bottom Layer w10: v1@12280,1738 12302,1716 13284,1716 13406,1838 v1(13406,1893)
  other v1: 12276,1738
"E5 Ch A\": ESC5.14 P11.5 | length 2043
  Top Layer w10: P11.5@11830,1710 11889.44,1769.44 12259.44,1769.44 v1(12276,1786) ; ESC5.14@13076.84,1930 13128.84,1982 13306,1982 13367,1921 v1(13367,1873)
  Bottom Layer w10: v1(12276,1786) 12318,1744 13270,1744 13367,1841 v1(13367,1873)
"E5 Ch B": ESC5.16 P11.8 | length 2082.3
  Top Layer w10: P11.8@11930,1610 11964,1644 v1(12387,1644) v1@12390,1644
  Bottom Layer w10: v1@12390,1644 13292,1644 13484,1836 13484,1908 13406,1986 13232.84,1986 ESC5.16@13176.84,1930
"E5 Ch B\": ESC5.18 P11.7 | length 1957.2
  Top Layer w10: P11.7@11830,1610 11886,1666 12365,1666 v1(12387,1688)
  Bottom Layer w10: v1(12387,1688) 13297,1688 13447,1838 13447,1902 13419,1930 ESC5.18@13276.84,1930
"E5 H1": ESC5.13 P10.1 | length 2583.1
  Top Layer w10: P10.1@12628.81,508.27 12628.81,1040.81 12739,1151 13588,1151 13652,1215 13652,1429 13445,1636 13270.84,1636 ESC5.13@13076.84,1830
"E5 H2": ESC5.15 P10.2 | length 2573.7
  Top Layer w10: P10.2@12794.16,508.27 12670,632.43 12670,1029 12746,1105 13590,1105 13683,1198 13683,1455 13465,1673 13333.84,1673 ESC5.15@13176.84,1830
"E5 H3": ESC5.17 P10.5 | length 2865.4
  Top Layer w10: P10.5@12628.81,291.73 12774.07,437 12819,437 12866,484 12866,586 12710,742 12710,1003 12773,1066 13616,1066 13715,1165 13715,1471 13356,1830 ESC5.17@13276.84,1830
"E5 H Vcc": ESC5.11 P10.3 | length 3494.8
  Top Layer w10: P10.3@12959.51,508.27 12946.41,495.16 12911.86,495.16 12646.7,230 12555,230 12521,264 12521,1001 12708,1188 13580.56,1188 13624,1231.44 13624,1396 13433,1587 13219.84,1587 ESC5.11@12976.84,1830
"E5 W1": C45.2 C46.2 L13.2 P10.7 TP23.1 | length 1381.1
  Top Layer w50: L13.2@12309,930.15 12371,868.15 12371,236 12431,176 12843.78,176 P10.7@12959.51,291.73
"E5 W2": C47.2 C48.2 L14.2 P10.8 TP26.1 | length 1202.3
  Top Layer w20: 13285,380 13297.85,380 13341.85,336 C47.2@13341.85,226
  Top Layer w50: L14.2@12870,933.15 12930,873.15 TP26.1@12930,750 12930,726 13028,628 13191,628 13285,534 13285,380 13196.73,291.73 P10.8@13124.87,291.73
"E5 W3": C49.2 C50.2 L15.2 P10.4 TP27.1 | length 1238
  Top Layer w20: L15.2@13480,913.15 13507.45,913.15 13573.24,847.36 13573.24,819.91 13574,819.15 TP27.1@13574,731 13574,722.88 13567.85,716.73 C50.2@13567.85,583 C49.2@13567.85,483
  Top Layer w50: v1@13125,698 v1(13124.74,698.26) v1(13124.74,737.5) v1(13124.74,776.74) 13124.74,833.74 13194,903 L15.2@13442,903
  Bottom Layer w50: P10.4@13124.87,508.27 v1@13124.87,776.74